# KiCad board ZSWatch-panelized.kicad_pcb (continued)
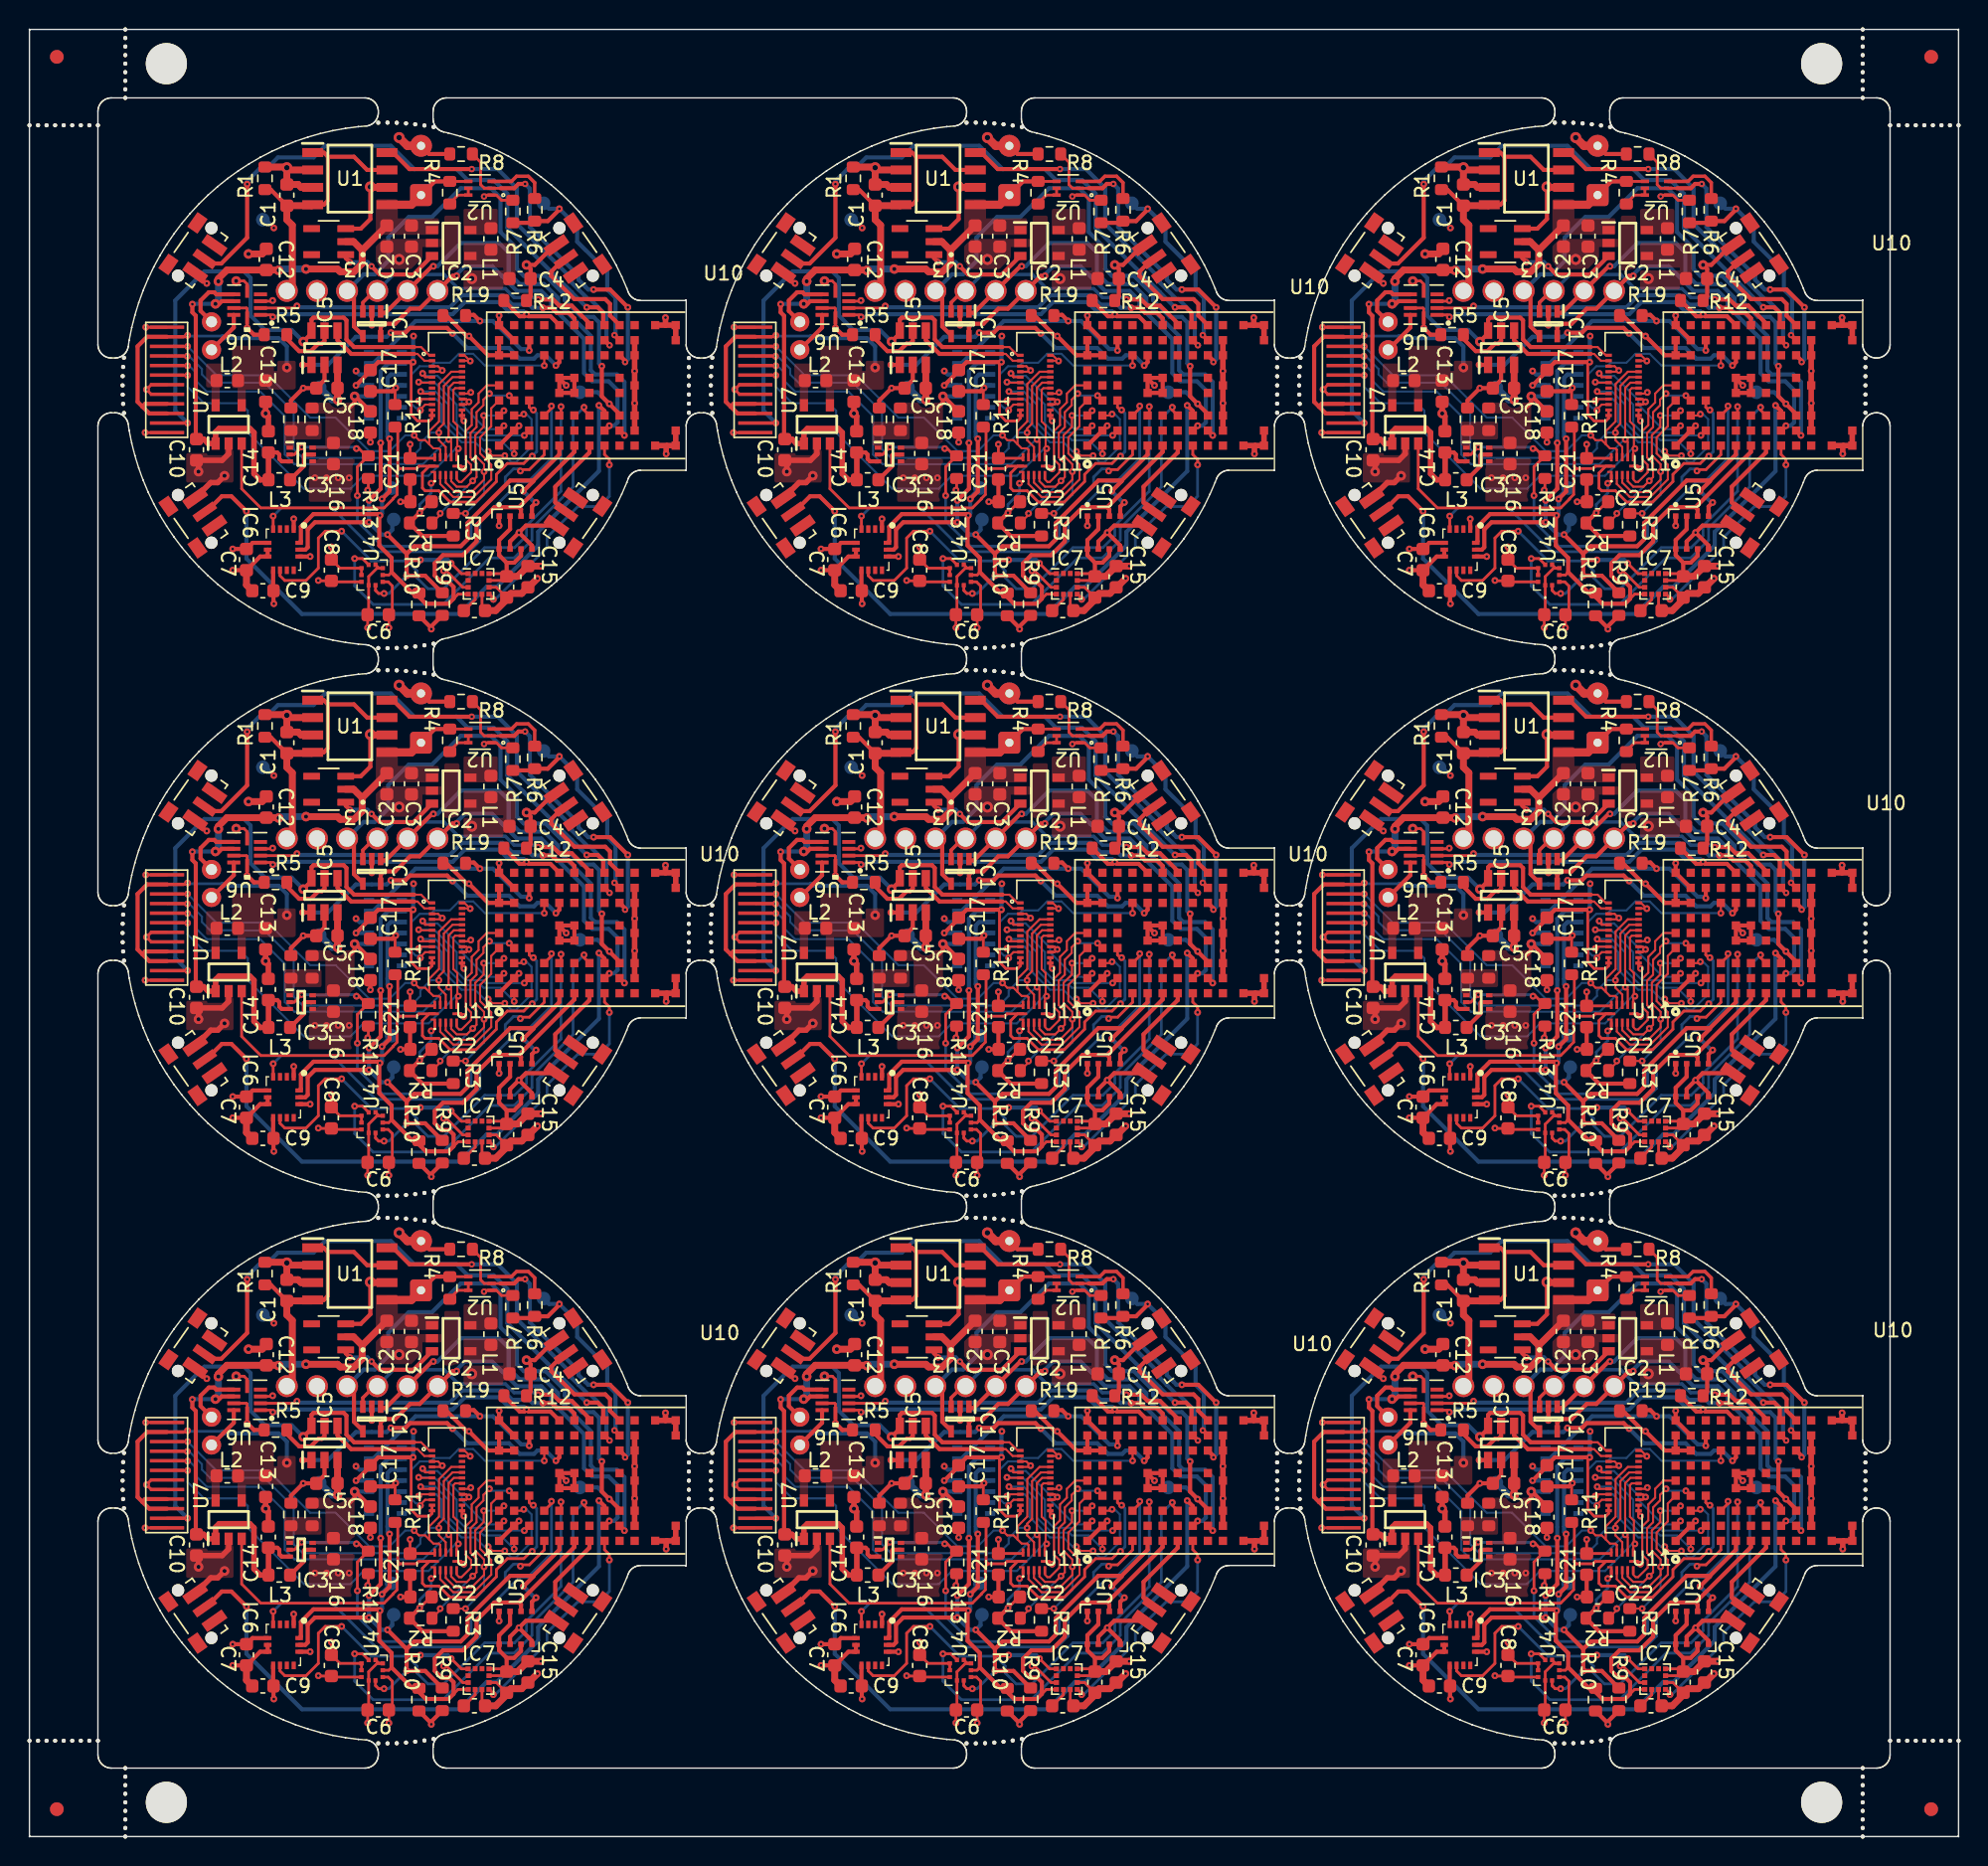
[diagram p0: board, top side]
## Nets (continued)
Board_2-unconnected-(U10-PadE2): U10#4.E2
Board_2-unconnected-(U10-PadE8): U10#4.E8
Board_2-unconnected-(U10-PadF2): U10#4.F2
Board_2-unconnected-(U10-PadF3): U10#4.F3
Board_2-unconnected-(U10-PadF7): U10#4.F7
Board_2-unconnected-(U10-PadF8): U10#4.F8
Board_2-unconnected-(U10-PadG2): U10#4.G2
Board_2-unconnected-(U10-PadG4): U10#4.G4
Board_2-unconnected-(U10-PadG5): U10#4.G5
Board_2-unconnected-(U10-PadG7): U10#4.G7
Board_2-unconnected-(U10-PadG8): U10#4.G8
Board_2-unconnected-(U10-PadH7): U10#4.H7
Board_2-unconnected-(U10-PadJ1): U10#4.J1
Board_2-unconnected-(U10-PadJ4): U10#4.J4
Board_2-unconnected-(U10-PadJ5): U10#4.J5
Board_2-unconnected-(U10-PadK1): U10#4.K1
Board_2-unconnected-(U10-PadK9): U10#4.K9
Board_2-unconnected-(U13-Pad7): U13#3.7
Board_2-unconnected-(U13-Pad22): U13#3.22
Board_2-V_BAT: BT1#4.1 C2#2.2 C3#4.1 C10#3.1 C12#6.2 C14#7.1 IC2#2.1 IC3#3.3 L3.1 R4#5.1 U1#9.5 U2#9.4 U3#3.2 U6.7 U7#3.1
Board_2-VBUS: C1#4.1 J2#3.6 R1#6.1 U1#9.1 U1#9.4 U1#9.7
Board_3-5V_REG_EN: IC3#2.2 R13#7.1 U10#8.D1
Board_3-+1V8: C4.1 C6#2.1 C7.1 C8#4.2 C9#8.2 C15.1 C17#8.2 C19.2 C22#9.2 IC2#4.4 IC4#8.11 IC6#2.5 IC6#2.8 IC6#2.12 IC7#8.3 IC7#8.9 IC7#8.10 L1#9.2 R2#5.2 R3#4.2 R9#5.2 R10#7.2 R19.1 TP8.1 U4#6.1 U4#6.5 U4#6.6 U4#6.10 U5#5.2 U5#5.6 U5#5.8 U10#8.A7 U10#8.A8 U10#8.B7 U11#9.1 U13#5.11 U13#5.12
Board_3-+5V: C16#2.1 C18#4.1 IC3#2.6 IC4#8.9 IC4#8.10 R17#8.2
Board_3-/C1: C11.1 IC7#8.5
Board_3-/D2: R6#2.1 U2#4.3
Board_3-/G2: R4#9.2 U2#4.5 U2#4.6
Board_3-/ISET: IC5#9.5 R5#6.2
Board_3-/LX_3V3: L2#5.1 U7#9.5
Board_3-/LX_18: IC2#4.5 L1#9.1
Board_3-/MOTOR_OUT+: M1#9.1 U6#3.9
Board_3-/MOTOR_OUT-: M1#9.2 U6#3.6
Board_3-/SW: IC3#2.5 L3#5.2
Board_3-/TOUCH_HIGH_INT-DC: U11#9.10 U12#6.10 U13#5.21
Board_3-/TOUCH_HIGH_RST-SDA: U11#9.7 U12#6.7 U13#5.18
Board_3-/TOUCH_HIGH_SCL-CS: U11#9.9 U12#6.9 U13#5.20
Board_3-/TOUCH_HIGH_SDA-SCL: U11#9.8 U12#6.8 U13#5.19
Board_3-/TPS_FB: IC3#2.1 R17#8.1 R18#3.2
Board_3-/~{RESET_BAT_SUP}: IC2#4.3 U3.1
Board_3-BAT_MON: R6#2.2 R7#5.1 TP3#4.1 U10#8.J8
Board_3-BAT_MON_EN: R8#7.2 U2#4.2 U10#8.J7
Board_3-BMP581_INT: U4#6.7 U10#8.G3
Board_3-BTN_1: S1#7.2 U10#8.H3
Board_3-BTN_2: S2.2 U10#8.J9
Board_3-BTN_3: S3#7.2 U10#8.H9
Board_3-BTN_4: S4#8.2 U10#8.G1
Board_3-CHG: U1#6.8 U10#8.H8
Board_3-DISPLAY_3V3: C5#4.2 C13#9.1 C21#2.2 IC5#9.3 L2#5.2 TP11#3.1 U7#9.4 U11#9.11 U12#6.3 U12#6.4 U12#6.11 U13#5.13 U13#5.14 U13#5.17 U13#5.23 U13#5.24
Board_3-DISPLAY_BLK: IC5#9.1 U10#8.E7
Board_3-DISPLAY_CLK: U10#8.B1 U13#5.8
Board_3-DISPLAY_CS: U10#8.B3 U13#5.9
Board_3-DISPLAY_DATA: U10#8.C2 U13#5.6
Board_3-DISPLAY_DC: U10#8.A2 U13#5.5
Board_3-DISPLAY_EN: R11#6.1 U7#9.3 U10#8.C4 U11#9.12
Board_3-DISPLAY_RST: U10#8.D7 U13#5.10
Board_3-DRV_VIB_EN: R12#5.1 U6#3.1 U10#8.E9
Board_3-DRV_VIB_PWM: U6#3.2 U10#8.F9
Board_3-GND: BT1#5.2 C1#9.2 C2#7.1 C3#2.2 C4.2 C5#4.1 C6#2.2 C7.2 C8#4.1 C9#8.1 C10#9.2 C11.2 C12#2.1 C13#9.2 C14#6.2 C15.2 C16#2.2 C17#8.1 C18#4.2 C19.1 C21#2.1 C22#9.1 IC1#9.2 IC2#4.2 IC3#2.4 IC4#8.4 IC4#8.12 IC5#9.2 IC6#2.1 IC6#2.6 IC6#2.7 IC7#8.6 IC7#8.8 J2#7.5 R1.2 R5#6.1 R7#5.2 R8#7.1 R11#6.2 R12#5.2 R13#7.2 R18#3.1 S1#7.1 S2.3 S3#7.3 S4#8.1 U1#6.2 U1#6.3 U1#6.6 U2#4.1 U3.3 U4#6.3 U4#6.8 U4#6.9 U5#5.1 U5#5.5 U5#5.7 U6#3.3 U6#3.5 U6#3.8 U6#3.10 U7#9.2 U10#8.A1 U10#8.A9 U10#8.B2 U10#8.B8 U10#8.E4 U10#8.E5 U10#8.F4 U10#8.F5 U10#8.K2 U10#8.K3 U10#8.K5 U10#8.K7 U10#8.K8 U10#8.L1 U10#8.L9 U10#8.M1 U10#8.M2 U10#8.M8 U10#8.M9 U11#9.6 U12#6.1 U12#6.5 U12#6.6 U12#6.12 U13#5.3 U13#5.4 U13#5.15 U13#5.16
Board_3-INT1_LIS: IC6#2.4 U10#8.D3
Board_3-INT2_LIS: IC6#2.9 U10#8.E3
Board_3-LEDK1: IC5#9.6 U12#6.2 U13#5.1
Board_3-LEDK2: IC5#9.4 U13#5.2
Board_3-LIS2MDL_INT: IC7#8.7 U10#8.H1
Board_3-MAX30_INT: IC4#8.13 R19.2 U10#8.C8
Board_3-RESET_N: IC1#9.4 J2#7.4 TP12#9.1 U10#8.J3
Board_3-SCL_ANNA: IC4#8.2 IC6#2.13 IC7#8.1 R9#5.1 TP9#8.1 U4#6.2 U5#5.4 U10#8.E1
Board_3-SDA_ANNA: IC4#8.3 IC6#2.14 IC7#8.4 R10#7.1 TP10#9.1 U4#6.4 U5#5.3 U10#8.F1
Board_3-SWDCLK: IC1#9.1 J2#7.2 U10#8.J2
Board_3-SWDIO: IC1#9.5 J2#7.1 U10#8.H2
Board_3-TOUCH_INT: U10#8.A4 U11#9.2
Board_3-TOUCH_RST: U10#8.A5 U11#9.5
Board_3-TOUCH_SCL: R3#4.1 U10#8.A3 U11#9.3
Board_3-TOUCH_SDA: R2#5.1 U10#8.B4 U11#9.4
Board_3-UART_TX: IC1#9.3 J2#7.3 U10#8.G9
Board_3-unconnected-(IC4-Pad1): IC4#8.1
Board_3-unconnected-(IC4-Pad5): IC4#8.5
Board_3-unconnected-(IC4-Pad6): IC4#8.6
Board_3-unconnected-(IC4-Pad7): IC4#8.7
Board_3-unconnected-(IC4-Pad8): IC4#8.8
Board_3-unconnected-(IC4-Pad14): IC4#8.14
Board_3-unconnected-(IC6-Pad2): IC6#2.2
Board_3-unconnected-(IC6-Pad3): IC6#2.3
Board_3-unconnected-(IC6-Pad10): IC6#2.10
Board_3-unconnected-(IC6-Pad11): IC6#2.11
Board_3-unconnected-(IC7-Pad2): IC7#8.2
Board_3-unconnected-(IC7-Pad11): IC7#8.11
Board_3-unconnected-(IC7-Pad12): IC7#8.12
Board_3-unconnected-(S1-Pad3): S1#7.3
Board_3-unconnected-(S1-PadS1): S1#7.S1
Board_3-unconnected-(S1-PadS2): S1#7.S2
Board_3-unconnected-(S2-Pad1): S2.1
Board_3-unconnected-(S2-PadS1): S2.S1
Board_3-unconnected-(S2-PadS2): S2.S2
Board_3-unconnected-(S3-Pad1): S3#7.1
Board_3-unconnected-(S3-PadS1): S3#7.S1
Board_3-unconnected-(S3-PadS2): S3#7.S2
Board_3-unconnected-(S4-Pad3): S4#8.3
Board_3-unconnected-(S4-PadS1): S4#8.S1
Board_3-unconnected-(S4-PadS2): S4#8.S2
Board_3-unconnected-(U3-Pad4): U3.4
Board_3-unconnected-(U3-Pad5): U3.5
Board_3-unconnected-(U6-Pad4): U6#3.4
Board_3-unconnected-(U10-PadA6): U10#8.A6
Board_3-unconnected-(U10-PadB5): U10#8.B5
Board_3-unconnected-(U10-PadB6): U10#8.B6
Board_3-unconnected-(U10-PadB9): U10#8.B9
Board_3-unconnected-(U10-PadC1): U10#8.C1
Board_3-unconnected-(U10-PadC5): U10#8.C5
Board_3-unconnected-(U10-PadC6): U10#8.C6
Board_3-unconnected-(U10-PadC9): U10#8.C9
Board_3-unconnected-(U10-PadD2): U10#8.D2
Board_3-unconnected-(U10-PadD8): U10#8.D8
Board_3-unconnected-(U10-PadD9): U10#8.D9
Board_3-unconnected-(U10-PadE2): U10#8.E2
Board_3-unconnected-(U10-PadE8): U10#8.E8
Board_3-unconnected-(U10-PadF2): U10#8.F2
Board_3-unconnected-(U10-PadF3): U10#8.F3
Board_3-unconnected-(U10-PadF7): U10#8.F7
Board_3-unconnected-(U10-PadF8): U10#8.F8
Board_3-unconnected-(U10-PadG2): U10#8.G2
Board_3-unconnected-(U10-PadG4): U10#8.G4
Board_3-unconnected-(U10-PadG5): U10#8.G5
Board_3-unconnected-(U10-PadG7): U10#8.G7
Board_3-unconnected-(U10-PadG8): U10#8.G8
Board_3-unconnected-(U10-PadH7): U10#8.H7
Board_3-unconnected-(U10-PadJ1): U10#8.J1
Board_3-unconnected-(U10-PadJ4): U10#8.J4
Board_3-unconnected-(U10-PadJ5): U10#8.J5
Board_3-unconnected-(U10-PadK1): U10#8.K1
Board_3-unconnected-(U10-PadK9): U10#8.K9
Board_3-unconnected-(U13-Pad7): U13#5.7
Board_3-unconnected-(U13-Pad22): U13#5.22
Board_3-V_BAT: BT1#5.1 C2#7.2 C3#2.1 C10#9.1 C12#2.2 C14#6.1 IC2#4.1 IC3#2.3 L3#5.1 R4#9.1 U1#6.5 U2#4.4 U3.2 U6#3.7 U7#9.1
Board_3-VBUS: C1#9.1 J2#7.6 R1.1 U1#6.1 U1#6.4 U1#6.7
Board_4-5V_REG_EN: IC3#4.2 R13#8.1 U10#7.D1
Board_4-+1V8: C4#4.1 C6#3.1 C7#6.1 C8#9.2 C9#6.2 C15#7.1 C17#7.2 C19#9.2 C22#8.2 IC2#6.4 IC4#7.11 IC6.5 IC6.8 IC6.12 IC7#3.3 IC7#3.9 IC7#3.10 L1#3.2 R2#2.2 R3#7.2 R9#2.2 R10#5.2 R19#4.1 TP8#9.1 U4#4.1 U4#4.5 U4#4.6 U4#4.10 U5#2.2 U5#2.6 U5#2.8 U10#7.A7 U10#7.A8 U10#7.B7 U11#3.1 U13#4.11 U13#4.12
Board_4-+5V: C16#3.1 C18#6.1 IC3#4.6 IC4#7.9 IC4#7.10 R17#3.2
Board_4-/C1: C11#5.1 IC7#3.5
Board_4-/D2: R6#6.1 U2#7.3
Board_4-/G2: R4#2.2 U2#7.5 U2#7.6
Board_4-/ISET: IC5#7.5 R5#8.2
Board_4-/LX_3V3: L2#8.1 U7#6.5
Board_4-/LX_18: IC2#6.5 L1#3.1
Board_4-/MOTOR_OUT+: M1#2.1 U6#5.9
Board_4-/MOTOR_OUT-: M1#2.2 U6#5.6
Board_4-/SW: IC3#4.5 L3#2.2
Board_4-/TOUCH_HIGH_INT-DC: U11#3.10 U12#3.10 U13#4.21
Board_4-/TOUCH_HIGH_RST-SDA: U11#3.7 U12#3.7 U13#4.18
Board_4-/TOUCH_HIGH_SCL-CS: U11#3.9 U12#3.9 U13#4.20
Board_4-/TOUCH_HIGH_SDA-SCL: U11#3.8 U12#3.8 U13#4.19
Board_4-/TPS_FB: IC3#4.1 R17#3.1 R18#2.2
Board_4-/~{RESET_BAT_SUP}: IC2#6.3 U3#9.1
Board_4-BAT_MON: R6#6.2 R7#2.1 TP3#8.1 U10#7.J8
Board_4-BAT_MON_EN: R8.2 U2#7.2 U10#7.J7
Board_4-BMP581_INT: U4#4.7 U10#7.G3
Board_4-BTN_1: S1#3.2 U10#7.H3
Board_4-BTN_2: S2#5.2 U10#7.J9
Board_4-BTN_3: S3#2.2 U10#7.H9
Board_4-BTN_4: S4#2.2 U10#7.G1
Board_4-CHG: U1#7.8 U10#7.H8
Board_4-DISPLAY_3V3: C5#7.2 C13#7.1 C21#9.2 IC5#7.3 L2#8.2 TP11#5.1 U7#6.4 U11#3.11 U12#3.3 U12#3.4 U12#3.11 U13#4.13 U13#4.14 U13#4.17 U13#4.23 U13#4.24
Board_4-DISPLAY_BLK: IC5#7.1 U10#7.E7
Board_4-DISPLAY_CLK: U10#7.B1 U13#4.8
Board_4-DISPLAY_CS: U10#7.B3 U13#4.9
Board_4-DISPLAY_DATA: U10#7.C2 U13#4.6
Board_4-DISPLAY_DC: U10#7.A2 U13#4.5
Board_4-DISPLAY_EN: R11#5.1 U7#6.3 U10#7.C4 U11#3.12
Board_4-DISPLAY_RST: U10#7.D7 U13#4.10
Board_4-DRV_VIB_EN: R12#3.1 U6#5.1 U10#7.E9
Board_4-DRV_VIB_PWM: U6#5.2 U10#7.F9
Board_4-GND: BT1.2 C1#2.2 C2#8.1 C3#8.2 C4#4.2 C5#7.1 C6#3.2 C7#6.2 C8#9.1 C9#6.1 C10#2.2 C11#5.2 C12#5.1 C13#7.2 C14#5.2 C15#7.2 C16#3.2 C17#7.1 C18#6.2 C19#9.1 C21#9.1 C22#8.1 IC1#2.2 IC2#6.2 IC3#4.4 IC4#7.4 IC4#7.12 IC5#7.2 IC6.1 IC6.6 IC6.7 IC7#3.6 IC7#3.8 J2#8.5 R1#4.2 R5#8.1 R7#2.2 R8.1 R11#5.2 R12#3.2 R13#8.2 R18#2.1 S1#3.1 S2#5.3 S3#2.3 S4#2.1 U1#7.2 U1#7.3 U1#7.6 U2#7.1 U3#9.3 U4#4.3 U4#4.8 U4#4.9 U5#2.1 U5#2.5 U5#2.7 U6#5.3 U6#5.5 U6#5.8 U6#5.10 U7#6.2 U10#7.A1 U10#7.A9 U10#7.B2 U10#7.B8 U10#7.E4 U10#7.E5 U10#7.F4 U10#7.F5 U10#7.K2 U10#7.K3 U10#7.K5 U10#7.K7 U10#7.K8 U10#7.L1 U10#7.L9 U10#7.M1 U10#7.M2 U10#7.M8 U10#7.M9 U11#3.6 U12#3.1 U12#3.5 U12#3.6 U12#3.12 U13#4.3 U13#4.4 U13#4.15 U13#4.16
Board_4-INT1_LIS: IC6.4 U10#7.D3
Board_4-INT2_LIS: IC6.9 U10#7.E3
Board_4-LEDK1: IC5#7.6 U12#3.2 U13#4.1
Board_4-LEDK2: IC5#7.4 U13#4.2
Board_4-LIS2MDL_INT: IC7#3.7 U10#7.H1
Board_4-MAX30_INT: IC4#7.13 R19#4.2 U10#7.C8
Board_4-RESET_N: IC1#2.4 J2#8.4 TP12#3.1 U10#7.J3
Board_4-SCL_ANNA: IC4#7.2 IC6.13 IC7#3.1 R9#2.1 TP9#4.1 U4#4.2 U5#2.4 U10#7.E1
Board_4-SDA_ANNA: IC4#7.3 IC6.14 IC7#3.4 R10#5.1 TP10#7.1 U4#4.4 U5#2.3 U10#7.F1
Board_4-SWDCLK: IC1#2.1 J2#8.2 U10#7.J2
Board_4-SWDIO: IC1#2.5 J2#8.1 U10#7.H2
Board_4-TOUCH_INT: U10#7.A4 U11#3.2
Board_4-TOUCH_RST: U10#7.A5 U11#3.5
Board_4-TOUCH_SCL: R3#7.1 U10#7.A3 U11#3.3
Board_4-TOUCH_SDA: R2#2.1 U10#7.B4 U11#3.4
Board_4-UART_TX: IC1#2.3 J2#8.3 U10#7.G9
Board_4-unconnected-(IC4-Pad1): IC4#7.1
Board_4-unconnected-(IC4-Pad5): IC4#7.5
Board_4-unconnected-(IC4-Pad6): IC4#7.6
Board_4-unconnected-(IC4-Pad7): IC4#7.7
Board_4-unconnected-(IC4-Pad8): IC4#7.8
Board_4-unconnected-(IC4-Pad14): IC4#7.14
Board_4-unconnected-(IC6-Pad2): IC6.2
Board_4-unconnected-(IC6-Pad3): IC6.3
Board_4-unconnected-(IC6-Pad10): IC6.10
Board_4-unconnected-(IC6-Pad11): IC6.11
Board_4-unconnected-(IC7-Pad2): IC7#3.2
Board_4-unconnected-(IC7-Pad11): IC7#3.11
Board_4-unconnected-(IC7-Pad12): IC7#3.12
Board_4-unconnected-(S1-Pad3): S1#3.3
Board_4-unconnected-(S1-PadS1): S1#3.S1
Board_4-unconnected-(S1-PadS2): S1#3.S2
Board_4-unconnected-(S2-Pad1): S2#5.1
Board_4-unconnected-(S2-PadS1): S2#5.S1
Board_4-unconnected-(S2-PadS2): S2#5.S2
Board_4-unconnected-(S3-Pad1): S3#2.1
Board_4-unconnected-(S3-PadS1): S3#2.S1
Board_4-unconnected-(S3-PadS2): S3#2.S2
Board_4-unconnected-(S4-Pad3): S4#2.3
Board_4-unconnected-(S4-PadS1): S4#2.S1
Board_4-unconnected-(S4-PadS2): S4#2.S2
Board_4-unconnected-(U3-Pad4): U3#9.4
Board_4-unconnected-(U3-Pad5): U3#9.5
Board_4-unconnected-(U6-Pad4): U6#5.4
Board_4-unconnected-(U10-PadA6): U10#7.A6
Board_4-unconnected-(U10-PadB5): U10#7.B5
Board_4-unconnected-(U10-PadB6): U10#7.B6
Board_4-unconnected-(U10-PadB9): U10#7.B9
Board_4-unconnected-(U10-PadC1): U10#7.C1
Board_4-unconnected-(U10-PadC5): U10#7.C5
Board_4-unconnected-(U10-PadC6): U10#7.C6
Board_4-unconnected-(U10-PadC9): U10#7.C9
Board_4-unconnected-(U10-PadD2): U10#7.D2
Board_4-unconnected-(U10-PadD8): U10#7.D8
Board_4-unconnected-(U10-PadD9): U10#7.D9
Board_4-unconnected-(U10-PadE2): U10#7.E2
Board_4-unconnected-(U10-PadE8): U10#7.E8
Board_4-unconnected-(U10-PadF2): U10#7.F2
Board_4-unconnected-(U10-PadF3): U10#7.F3
Board_4-unconnected-(U10-PadF7): U10#7.F7
Board_4-unconnected-(U10-PadF8): U10#7.F8
Board_4-unconnected-(U10-PadG2): U10#7.G2
Board_4-unconnected-(U10-PadG4): U10#7.G4
Board_4-unconnected-(U10-PadG5): U10#7.G5
Board_4-unconnected-(U10-PadG7): U10#7.G7
Board_4-unconnected-(U10-PadG8): U10#7.G8
Board_4-unconnected-(U10-PadH7): U10#7.H7
Board_4-unconnected-(U10-PadJ1): U10#7.J1
Board_4-unconnected-(U10-PadJ4): U10#7.J4
Board_4-unconnected-(U10-PadJ5): U10#7.J5
Board_4-unconnected-(U10-PadK1): U10#7.K1
Board_4-unconnected-(U10-PadK9): U10#7.K9
Board_4-unconnected-(U13-Pad7): U13#4.7
Board_4-unconnected-(U13-Pad22): U13#4.22
Board_4-V_BAT: BT1.1 C2#8.2 C3#8.1 C10#2.1 C12#5.2 C14#5.1 IC2#6.1 IC3#4.3 L3#2.1 R4#2.1 U1#7.5 U2#7.4 U3#9.2 U6#5.7 U7#6.1
Board_4-VBUS: C1#2.1 J2#8.6 R1#4.1 U1#7.1 U1#7.4 U1#7.7
Board_5-5V_REG_EN: IC3#5.2 R13#4.1 U10#9.D1
Board_5-+1V8: C4#9.1 C6#4.1 C7#8.1 C8#7.2 C9#3.2 C15#9.1 C17#9.2 C19#5.2 C22#4.2 IC2#8.4 IC4#9.11 IC6#3.5 IC6#3.8 IC6#3.12 IC7.3 IC7.9 IC7.10 L1#4.2 R2#7.2 R3#9.2 R9.2 R10#4.2 R19#5.1 TP8#5.1 U4.1 U4.5 U4.6 U4.10 U5#6.2 U5#6.6 U5#6.8 U10#9.A7 U10#9.A8 U10#9.B7 U11.1 U13#8.11 U13#8.12
Board_5-+5V: C16#6.1 C18#3.1 IC3#5.6 IC4#9.9 IC4#9.10 R17#9.2
Board_5-/C1: C11#6.1 IC7.5
Board_5-/D2: R6.1 U2#8.3
Board_5-/G2: R4#6.2 U2#8.5 U2#8.6
Board_5-/ISET: IC5#2.5 R5#7.2
Board_5-/LX_3V3: L2#3.1 U7#7.5
Board_5-/LX_18: IC2#8.5 L1#4.1
Board_5-/MOTOR_OUT+: M1#4.1 U6#9.9
Board_5-/MOTOR_OUT-: M1#4.2 U6#9.6
Board_5-/SW: IC3#5.5 L3#9.2
Board_5-/TOUCH_HIGH_INT-DC: U11.10 U12#9.10 U13#8.21
Board_5-/TOUCH_HIGH_RST-SDA: U11.7 U12#9.7 U13#8.18
Board_5-/TOUCH_HIGH_SCL-CS: U11.9 U12#9.9 U13#8.20
Board_5-/TOUCH_HIGH_SDA-SCL: U11.8 U12#9.8 U13#8.19
Board_5-/TPS_FB: IC3#5.1 R17#9.1 R18#4.2
Board_5-/~{RESET_BAT_SUP}: IC2#8.3 U3#6.1
Board_5-BAT_MON: R6.2 R7#9.1 TP3#5.1 U10#9.J8
Board_5-BAT_MON_EN: R8#6.2 U2#8.2 U10#9.J7
Board_5-BMP581_INT: U4.7 U10#9.G3
Board_5-BTN_1: S1#4.2 U10#9.H3
Board_5-BTN_2: S2#2.2 U10#9.J9
Board_5-BTN_3: S3.2 U10#9.H9
Board_5-BTN_4: S4#4.2 U10#9.G1
Board_5-CHG: U1#4.8 U10#9.H8
Board_5-DISPLAY_3V3: C5#3.2 C13#4.1 C21#3.2 IC5#2.3 L2#3.2 TP11.1 U7#7.4 U11.11 U12#9.3 U12#9.4 U12#9.11 U13#8.13 U13#8.14 U13#8.17 U13#8.23 U13#8.24
Board_5-DISPLAY_BLK: IC5#2.1 U10#9.E7
Board_5-DISPLAY_CLK: U10#9.B1 U13#8.8
Board_5-DISPLAY_CS: U10#9.B3 U13#8.9
Board_5-DISPLAY_DATA: U10#9.C2 U13#8.6
Board_5-DISPLAY_DC: U10#9.A2 U13#8.5
Board_5-DISPLAY_EN: R11#3.1 U7#7.3 U10#9.C4 U11.12
Board_5-DISPLAY_RST: U10#9.D7 U13#8.10
Board_5-DRV_VIB_EN: R12#8.1 U6#9.1 U10#9.E9
Board_5-DRV_VIB_PWM: U6#9.2 U10#9.F9
Board_5-GND: BT1#6.2 C1#3.2 C2#9.1 C3#5.2 C4#9.2 C5#3.1 C6#4.2 C7#8.2 C8#7.1 C9#3.1 C10#8.2 C11#6.2 C12#8.1 C13#4.2 C14.2 C15#9.2 C16#6.2 C17#9.1 C18#3.2 C19#5.1 C21#3.1 C22#4.1 IC1#3.2 IC2#8.2 IC3#5.4 IC4#9.4 IC4#9.12 IC5#2.2 IC6#3.1 IC6#3.6 IC6#3.7 IC7.6 IC7.8 J2#5.5 R1#2.2 R5#7.1 R7#9.2 R8#6.1 R11#3.2 R12#8.2 R13#4.2 R18#4.1 S1#4.1 S2#2.3 S3.3 S4#4.1 U1#4.2 U1#4.3 U1#4.6 U2#8.1 U3#6.3 U4.3 U4.8 U4.9 U5#6.1 U5#6.5 U5#6.7 U6#9.3 U6#9.5 U6#9.8 U6#9.10 U7#7.2 U10#9.A1 U10#9.A9 U10#9.B2 U10#9.B8 U10#9.E4 U10#9.E5 U10#9.F4 U10#9.F5 U10#9.K2 U10#9.K3 U10#9.K5 U10#9.K7 U10#9.K8 U10#9.L1 U10#9.L9 U10#9.M1 U10#9.M2 U10#9.M8 U10#9.M9 U11.6 U12#9.1 U12#9.5 U12#9.6 U12#9.12 U13#8.3 U13#8.4 U13#8.15 U13#8.16
Board_5-INT1_LIS: IC6#3.4 U10#9.D3
Board_5-INT2_LIS: IC6#3.9 U10#9.E3
Board_5-LEDK1: IC5#2.6 U12#9.2 U13#8.1
Board_5-LEDK2: IC5#2.4 U13#8.2
Board_5-LIS2MDL_INT: IC7.7 U10#9.H1
Board_5-MAX30_INT: IC4#9.13 R19#5.2 U10#9.C8
Board_5-RESET_N: IC1#3.4 J2#5.4 TP12#5.1 U10#9.J3
Board_5-SCL_ANNA: IC4#9.2 IC6#3.13 IC7.1 R9.1 TP9#6.1 U4.2 U5#6.4 U10#9.E1
Board_5-SDA_ANNA: IC4#9.3 IC6#3.14 IC7.4 R10#4.1 TP10#8.1 U4.4 U5#6.3 U10#9.F1
Board_5-SWDCLK: IC1#3.1 J2#5.2 U10#9.J2
Board_5-SWDIO: IC1#3.5 J2#5.1 U10#9.H2
Board_5-TOUCH_INT: U10#9.A4 U11.2
Board_5-TOUCH_RST: U10#9.A5 U11.5
Board_5-TOUCH_SCL: R3#9.1 U10#9.A3 U11.3
Board_5-TOUCH_SDA: R2#7.1 U10#9.B4 U11.4
Board_5-UART_TX: IC1#3.3 J2#5.3 U10#9.G9
Board_5-unconnected-(IC4-Pad1): IC4#9.1
Board_5-unconnected-(IC4-Pad5): IC4#9.5
Board_5-unconnected-(IC4-Pad6): IC4#9.6
Board_5-unconnected-(IC4-Pad7): IC4#9.7
Board_5-unconnected-(IC4-Pad8): IC4#9.8
Board_5-unconnected-(IC4-Pad14): IC4#9.14
Board_5-unconnected-(IC6-Pad2): IC6#3.2
Board_5-unconnected-(IC6-Pad3): IC6#3.3
Board_5-unconnected-(IC6-Pad10): IC6#3.10
Board_5-unconnected-(IC6-Pad11): IC6#3.11
Board_5-unconnected-(IC7-Pad2): IC7.2
Board_5-unconnected-(IC7-Pad11): IC7.11
Board_5-unconnected-(IC7-Pad12): IC7.12
Board_5-unconnected-(S1-Pad3): S1#4.3
Board_5-unconnected-(S1-PadS1): S1#4.S1
Board_5-unconnected-(S1-PadS2): S1#4.S2
Board_5-unconnected-(S2-Pad1): S2#2.1
Board_5-unconnected-(S2-PadS1): S2#2.S1
Board_5-unconnected-(S2-PadS2): S2#2.S2
Board_5-unconnected-(S3-Pad1): S3.1
Board_5-unconnected-(S3-PadS1): S3.S1
Board_5-unconnected-(S3-PadS2): S3.S2
Board_5-unconnected-(S4-Pad3): S4#4.3
Board_5-unconnected-(S4-PadS1): S4#4.S1
Board_5-unconnected-(S4-PadS2): S4#4.S2
Board_5-unconnected-(U3-Pad4): U3#6.4
Board_5-unconnected-(U3-Pad5): U3#6.5
Board_5-unconnected-(U6-Pad4): U6#9.4
Board_5-unconnected-(U10-PadA6): U10#9.A6
Board_5-unconnected-(U10-PadB5): U10#9.B5
Board_5-unconnected-(U10-PadB6): U10#9.B6
Board_5-unconnected-(U10-PadB9): U10#9.B9
Board_5-unconnected-(U10-PadC1): U10#9.C1
Board_5-unconnected-(U10-PadC5): U10#9.C5
Board_5-unconnected-(U10-PadC6): U10#9.C6
Board_5-unconnected-(U10-PadC9): U10#9.C9
Board_5-unconnected-(U10-PadD2): U10#9.D2
Board_5-unconnected-(U10-PadD8): U10#9.D8
Board_5-unconnected-(U10-PadD9): U10#9.D9
Board_5-unconnected-(U10-PadE2): U10#9.E2
Board_5-unconnected-(U10-PadE8): U10#9.E8
Board_5-unconnected-(U10-PadF2): U10#9.F2
Board_5-unconnected-(U10-PadF3): U10#9.F3
Board_5-unconnected-(U10-PadF7): U10#9.F7
Board_5-unconnected-(U10-PadF8): U10#9.F8
Board_5-unconnected-(U10-PadG2): U10#9.G2
Board_5-unconnected-(U10-PadG4): U10#9.G4
Board_5-unconnected-(U10-PadG5): U10#9.G5
Board_5-unconnected-(U10-PadG7): U10#9.G7
Board_5-unconnected-(U10-PadG8): U10#9.G8
Board_5-unconnected-(U10-PadH7): U10#9.H7
Board_5-unconnected-(U10-PadJ1): U10#9.J1
Board_5-unconnected-(U10-PadJ4): U10#9.J4
Board_5-unconnected-(U10-PadJ5): U10#9.J5
Board_5-unconnected-(U10-PadK1): U10#9.K1
Board_5-unconnected-(U10-PadK9): U10#9.K9
Board_5-unconnected-(U13-Pad7): U13#8.7
Board_5-unconnected-(U13-Pad22): U13#8.22
Board_5-V_BAT: BT1#6.1 C2#9.2 C3#5.1 C10#8.1 C12#8.2 C14.1 IC2#8.1 IC3#5.3 L3#9.1 R4#6.1 U1#4.5 U2#8.4 U3#6.2 U6#9.7 U7#7.1
Board_5-VBUS: C1#3.1 J2#5.6 R1#2.1 U1#4.1 U1#4.4 U1#4.7
Board_6-5V_REG_EN: IC3#9.2 R13#2.1 U10#5.D1
Board_6-+1V8: C4#6.1 C6#7.1 C7#7.1 C8#2.2 C9#9.2 C15#6.1 C17#6.2 C19#8.2 C22#2.2 IC2#9.4 IC4#2.11 IC6#5.5 IC6#5.8 IC6#5.12 IC7#6.3 IC7#6.9 IC7#6.10 L1#7.2 R2#6.2 R3#2.2 R9#6.2 R10#8.2 R19#8.1 TP8#3.1 U4#7.1 U4#7.5 U4#7.6 U4#7.10 U5.2 U5.6 U5.8 U10#5.A7 U10#5.A8 U10#5.B7 U11#8.1 U13#7.11 U13#7.12
Board_6-+5V: C16#9.1 C18#7.1 IC3#9.6 IC4#2.9 IC4#2.10 R17#5.2
Board_6-/C1: C11#8.1 IC7#6.5
Board_6-/D2: R6#8.1 U2#2.3
Board_6-/G2: R4#8.2 U2#2.5 U2#2.6
Board_6-/ISET: IC5#4.5 R5#3.2
Board_6-/LX_3V3: L2.1 U7#4.5
Board_6-/LX_18: IC2#9.5 L1#7.1
Board_6-/MOTOR_OUT+: M1#7.1 U6#6.9
Board_6-/MOTOR_OUT-: M1#7.2 U6#6.6
Board_6-/SW: IC3#9.5 L3#6.2
Board_6-/TOUCH_HIGH_INT-DC: U11#8.10 U12#8.10 U13#7.21
Board_6-/TOUCH_HIGH_RST-SDA: U11#8.7 U12#8.7 U13#7.18
Board_6-/TOUCH_HIGH_SCL-CS: U11#8.9 U12#8.9 U13#7.20
Board_6-/TOUCH_HIGH_SDA-SCL: U11#8.8 U12#8.8 U13#7.19
Board_6-/TPS_FB: IC3#9.1 R17#5.1 R18#8.2
Board_6-/~{RESET_BAT_SUP}: IC2#9.3 U3#5.1
Board_6-BAT_MON: R6#8.2 R7#6.1 TP3#6.1 U10#5.J8
Board_6-BAT_MON_EN: R8#5.2 U2#2.2 U10#5.J7
Board_6-BMP581_INT: U4#7.7 U10#5.G3
Board_6-BTN_1: S1#8.2 U10#5.H3
Board_6-BTN_2: S2#8.2 U10#5.J9
Board_6-BTN_3: S3#6.2 U10#5.H9
Board_6-BTN_4: S4#3.2 U10#5.G1
Board_6-CHG: U1#3.8 U10#5.H8
Board_6-DISPLAY_3V3: C5#6.2 C13#5.1 C21#4.2 IC5#4.3 L2.2 TP11#2.1 U7#4.4 U11#8.11 U12#8.3 U12#8.4 U12#8.11 U13#7.13 U13#7.14 U13#7.17 U13#7.23 U13#7.24
Board_6-DISPLAY_BLK: IC5#4.1 U10#5.E7
Board_6-DISPLAY_CLK: U10#5.B1 U13#7.8
Board_6-DISPLAY_CS: U10#5.B3 U13#7.9
Board_6-DISPLAY_DATA: U10#5.C2 U13#7.6
Board_6-DISPLAY_DC: U10#5.A2 U13#7.5
Board_6-DISPLAY_EN: R11#2.1 U7#4.3 U10#5.C4 U11#8.12
Board_6-DISPLAY_RST: U10#5.D7 U13#7.10
Board_6-DRV_VIB_EN: R12.1 U6#6.1 U10#5.E9
Board_6-DRV_VIB_PWM: U6#6.2 U10#5.F9
Board_6-GND: BT1#3.2 C1#8.2 C2#5.1 C3#9.2 C4#6.2 C5#6.1 C6#7.2 C7#7.2 C8#2.1 C9#9.1 C10.2 C11#8.2 C12#7.1 C13#5.2 C14#2.2 C15#6.2 C16#9.2 C17#6.1 C18#7.2 C19#8.1 C21#4.1 C22#2.1 IC1#4.2 IC2#9.2 IC3#9.4 IC4#2.4 IC4#2.12 IC5#4.2 IC6#5.1 IC6#5.6 IC6#5.7 IC7#6.6 IC7#6.8 J2.5 R1#3.2 R5#3.1 R7#6.2 R8#5.1 R11#2.2 R12.2 R13#2.2 R18#8.1 S1#8.1 S2#8.3 S3#6.3 S4#3.1 U1#3.2 U1#3.3 U1#3.6 U2#2.1 U3#5.3 U4#7.3 U4#7.8 U4#7.9 U5.1 U5.5 U5.7 U6#6.3 U6#6.5 U6#6.8 U6#6.10 U7#4.2 U10#5.A1 U10#5.A9 U10#5.B2 U10#5.B8 U10#5.E4 U10#5.E5 U10#5.F4 U10#5.F5 U10#5.K2 U10#5.K3 U10#5.K5 U10#5.K7 U10#5.K8 U10#5.L1 U10#5.L9 U10#5.M1 U10#5.M2 U10#5.M8 U10#5.M9 U11#8.6 U12#8.1 U12#8.5 U12#8.6 U12#8.12 U13#7.3 U13#7.4 U13#7.15 U13#7.16
Board_6-INT1_LIS: IC6#5.4 U10#5.D3
Board_6-INT2_LIS: IC6#5.9 U10#5.E3
Board_6-LEDK1: IC5#4.6 U12#8.2 U13#7.1
Board_6-LEDK2: IC5#4.4 U13#7.2
Board_6-LIS2MDL_INT: IC7#6.7 U10#5.H1
Board_6-MAX30_INT: IC4#2.13 R19#8.2 U10#5.C8
Board_6-RESET_N: IC1#4.4 J2.4 TP12#2.1 U10#5.J3
Board_6-SCL_ANNA: IC4#2.2 IC6#5.13 IC7#6.1 R9#6.1 TP9#9.1 U4#7.2 U5.4 U10#5.E1
Board_6-SDA_ANNA: IC4#2.3 IC6#5.14 IC7#6.4 R10#8.1 TP10#6.1 U4#7.4 U5.3 U10#5.F1
Board_6-SWDCLK: IC1#4.1 J2.2 U10#5.J2
Board_6-SWDIO: IC1#4.5 J2.1 U10#5.H2
Board_6-TOUCH_INT: U10#5.A4 U11#8.2
Board_6-TOUCH_RST: U10#5.A5 U11#8.5
Board_6-TOUCH_SCL: R3#2.1 U10#5.A3 U11#8.3
Board_6-TOUCH_SDA: R2#6.1 U10#5.B4 U11#8.4
Board_6-UART_TX: IC1#4.3 J2.3 U10#5.G9
Board_6-unconnected-(IC4-Pad1): IC4#2.1
Board_6-unconnected-(IC4-Pad5): IC4#2.5
Board_6-unconnected-(IC4-Pad6): IC4#2.6
Board_6-unconnected-(IC4-Pad7): IC4#2.7
Board_6-unconnected-(IC4-Pad8): IC4#2.8
Board_6-unconnected-(IC4-Pad14): IC4#2.14
Board_6-unconnected-(IC6-Pad2): IC6#5.2
Board_6-unconnected-(IC6-Pad3): IC6#5.3
Board_6-unconnected-(IC6-Pad10): IC6#5.10
Board_6-unconnected-(IC6-Pad11): IC6#5.11
Board_6-unconnected-(IC7-Pad2): IC7#6.2
Board_6-unconnected-(IC7-Pad11): IC7#6.11
Board_6-unconnected-(IC7-Pad12): IC7#6.12
Board_6-unconnected-(S1-Pad3): S1#8.3
Board_6-unconnected-(S1-PadS1): S1#8.S1
Board_6-unconnected-(S1-PadS2): S1#8.S2
Board_6-unconnected-(S2-Pad1): S2#8.1
Board_6-unconnected-(S2-PadS1): S2#8.S1
Board_6-unconnected-(S2-PadS2): S2#8.S2
Board_6-unconnected-(S3-Pad1): S3#6.1
Board_6-unconnected-(S3-PadS1): S3#6.S1
Board_6-unconnected-(S3-PadS2): S3#6.S2
Board_6-unconnected-(S4-Pad3): S4#3.3
Board_6-unconnected-(S4-PadS1): S4#3.S1
Board_6-unconnected-(S4-PadS2): S4#3.S2
Board_6-unconnected-(U3-Pad4): U3#5.4
Board_6-unconnected-(U3-Pad5): U3#5.5
Board_6-unconnected-(U6-Pad4): U6#6.4
Board_6-unconnected-(U10-PadA6): U10#5.A6
Board_6-unconnected-(U10-PadB5): U10#5.B5
Board_6-unconnected-(U10-PadB6): U10#5.B6
Board_6-unconnected-(U10-PadB9): U10#5.B9
Board_6-unconnected-(U10-PadC1): U10#5.C1
Board_6-unconnected-(U10-PadC5): U10#5.C5
Board_6-unconnected-(U10-PadC6): U10#5.C6
Board_6-unconnected-(U10-PadC9): U10#5.C9
Board_6-unconnected-(U10-PadD2): U10#5.D2
Board_6-unconnected-(U10-PadD8): U10#5.D8
Board_6-unconnected-(U10-PadD9): U10#5.D9
Board_6-unconnected-(U10-PadE2): U10#5.E2
Board_6-unconnected-(U10-PadE8): U10#5.E8
Board_6-unconnected-(U10-PadF2): U10#5.F2
Board_6-unconnected-(U10-PadF3): U10#5.F3
Board_6-unconnected-(U10-PadF7): U10#5.F7
Board_6-unconnected-(U10-PadF8): U10#5.F8
Board_6-unconnected-(U10-PadG2): U10#5.G2
Board_6-unconnected-(U10-PadG4): U10#5.G4
Board_6-unconnected-(U10-PadG5): U10#5.G5
Board_6-unconnected-(U10-PadG7): U10#5.G7
Board_6-unconnected-(U10-PadG8): U10#5.G8
Board_6-unconnected-(U10-PadH7): U10#5.H7
Board_6-unconnected-(U10-PadJ1): U10#5.J1
Board_6-unconnected-(U10-PadJ4): U10#5.J4
Board_6-unconnected-(U10-PadJ5): U10#5.J5
Board_6-unconnected-(U10-PadK1): U10#5.K1
Board_6-unconnected-(U10-PadK9): U10#5.K9
Board_6-unconnected-(U13-Pad7): U13#7.7
Board_6-unconnected-(U13-Pad22): U13#7.22
Board_6-V_BAT: BT1#3.1 C2#5.2 C3#9.1 C10.1 C12#7.2 C14#2.1 IC2#9.1 IC3#9.3 L3#6.1 R4#8.1 U1#3.5 U2#2.4 U3#5.2 U6#6.7 U7#4.1
Board_6-VBUS: C1#8.1 J2.6 R1#3.1 U1#3.1 U1#3.4 U1#3.7
Board_7-5V_REG_EN: IC3#6.2 R13.1 U10#3.D1
Board_7-+1V8: C4#2.1 C6#6.1 C7#5.1 C8#6.2 C9#7.2 C15#5.1 C17#3.2 C19#3.2 C22#7.2 IC2.4 IC4.11 IC6#9.5 IC6#9.8 IC6#9.12 IC7#9.3 IC7#9.9 IC7#9.10 L1#5.2 R2#3.2 R3#5.2 R9#3.2 R10#2.2 R19#3.1 TP8#7.1 U4#9.1 U4#9.5 U4#9.6 U4#9.10 U5#4.2 U5#4.6 U5#4.8 U10#3.A7 U10#3.A8 U10#3.B7 U11#6.1 U13#6.11 U13#6.12
Board_7-+5V: C16#8.1 C18#5.1 IC3#6.6 IC4.9 IC4.10 R17#2.2
Board_7-/C1: C11#2.1 IC7#9.5
Board_7-/D2: R6#7.1 U2.3
Board_7-/G2: R4#7.2 U2.5 U2.6
Board_7-/ISET: IC5#5.5 R5#4.2
Board_7-/LX_3V3: L2#9.1 U7.5
Board_7-/LX_18: IC2.5 L1#5.1
Board_7-/MOTOR_OUT+: M1.1 U6#8.9
Board_7-/MOTOR_OUT-: M1.2 U6#8.6
Board_7-/SW: IC3#6.5 L3#8.2
Board_7-/TOUCH_HIGH_INT-DC: U11#6.10 U12.10 U13#6.21
Board_7-/TOUCH_HIGH_RST-SDA: U11#6.7 U12.7 U13#6.18
Board_7-/TOUCH_HIGH_SCL-CS: U11#6.9 U12.9 U13#6.20
Board_7-/TOUCH_HIGH_SDA-SCL: U11#6.8 U12.8 U13#6.19
Board_7-/TPS_FB: IC3#6.1 R17#2.1 R18#7.2
Board_7-/~{RESET_BAT_SUP}: IC2.3 U3#2.1
Board_7-BAT_MON: R6#7.2 R7#3.1 TP3#3.1 U10#3.J8
Board_7-BAT_MON_EN: R8#3.2 U2.2 U10#3.J7
Board_7-BMP581_INT: U4#9.7 U10#3.G3
Board_7-BTN_1: S1.2 U10#3.H3
